# KiCad board RASBB.kicad_pcb
title: RASBB; date: 2025-04-24; rev: B; company: Mina Daneshpajouh
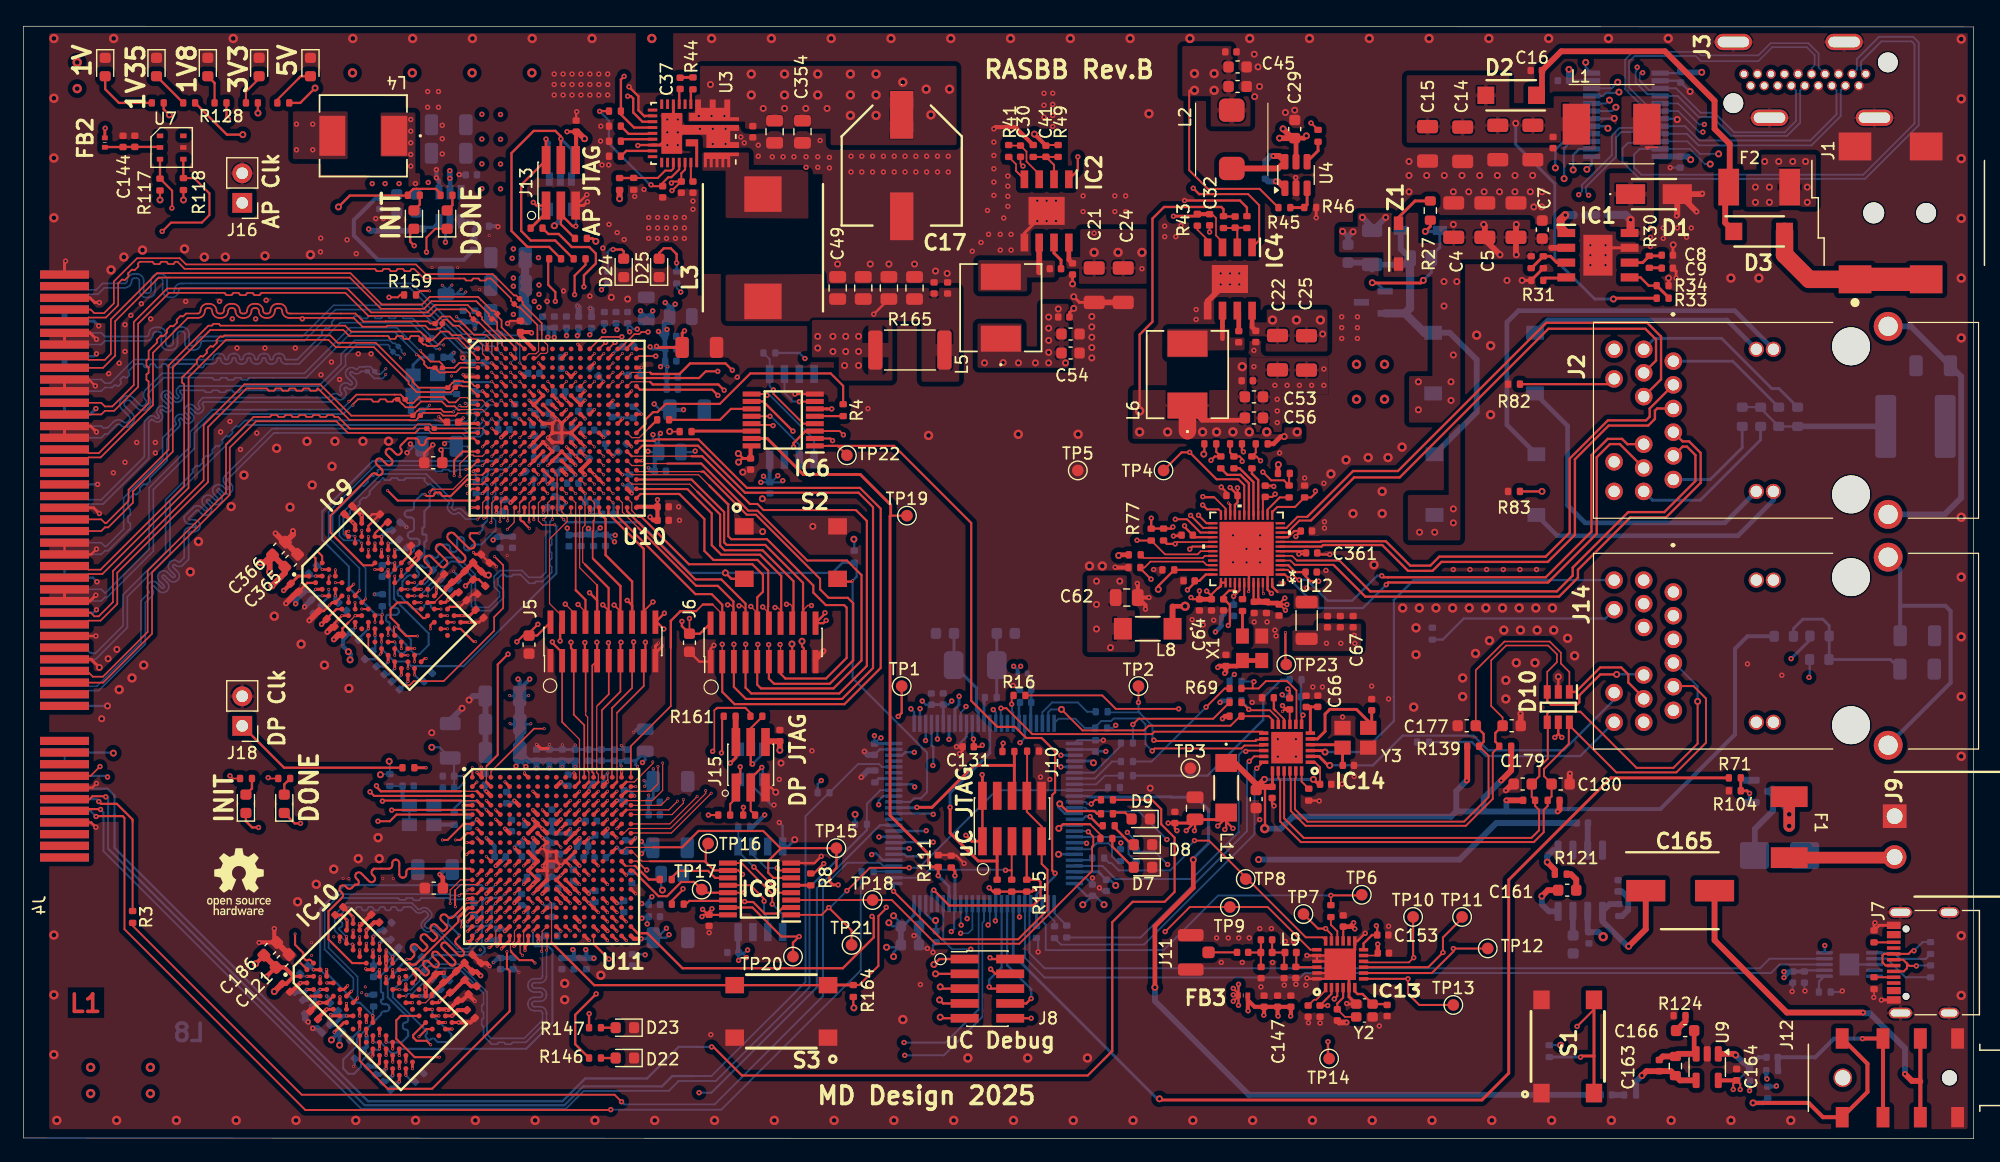
[diagram p0: board, top side]
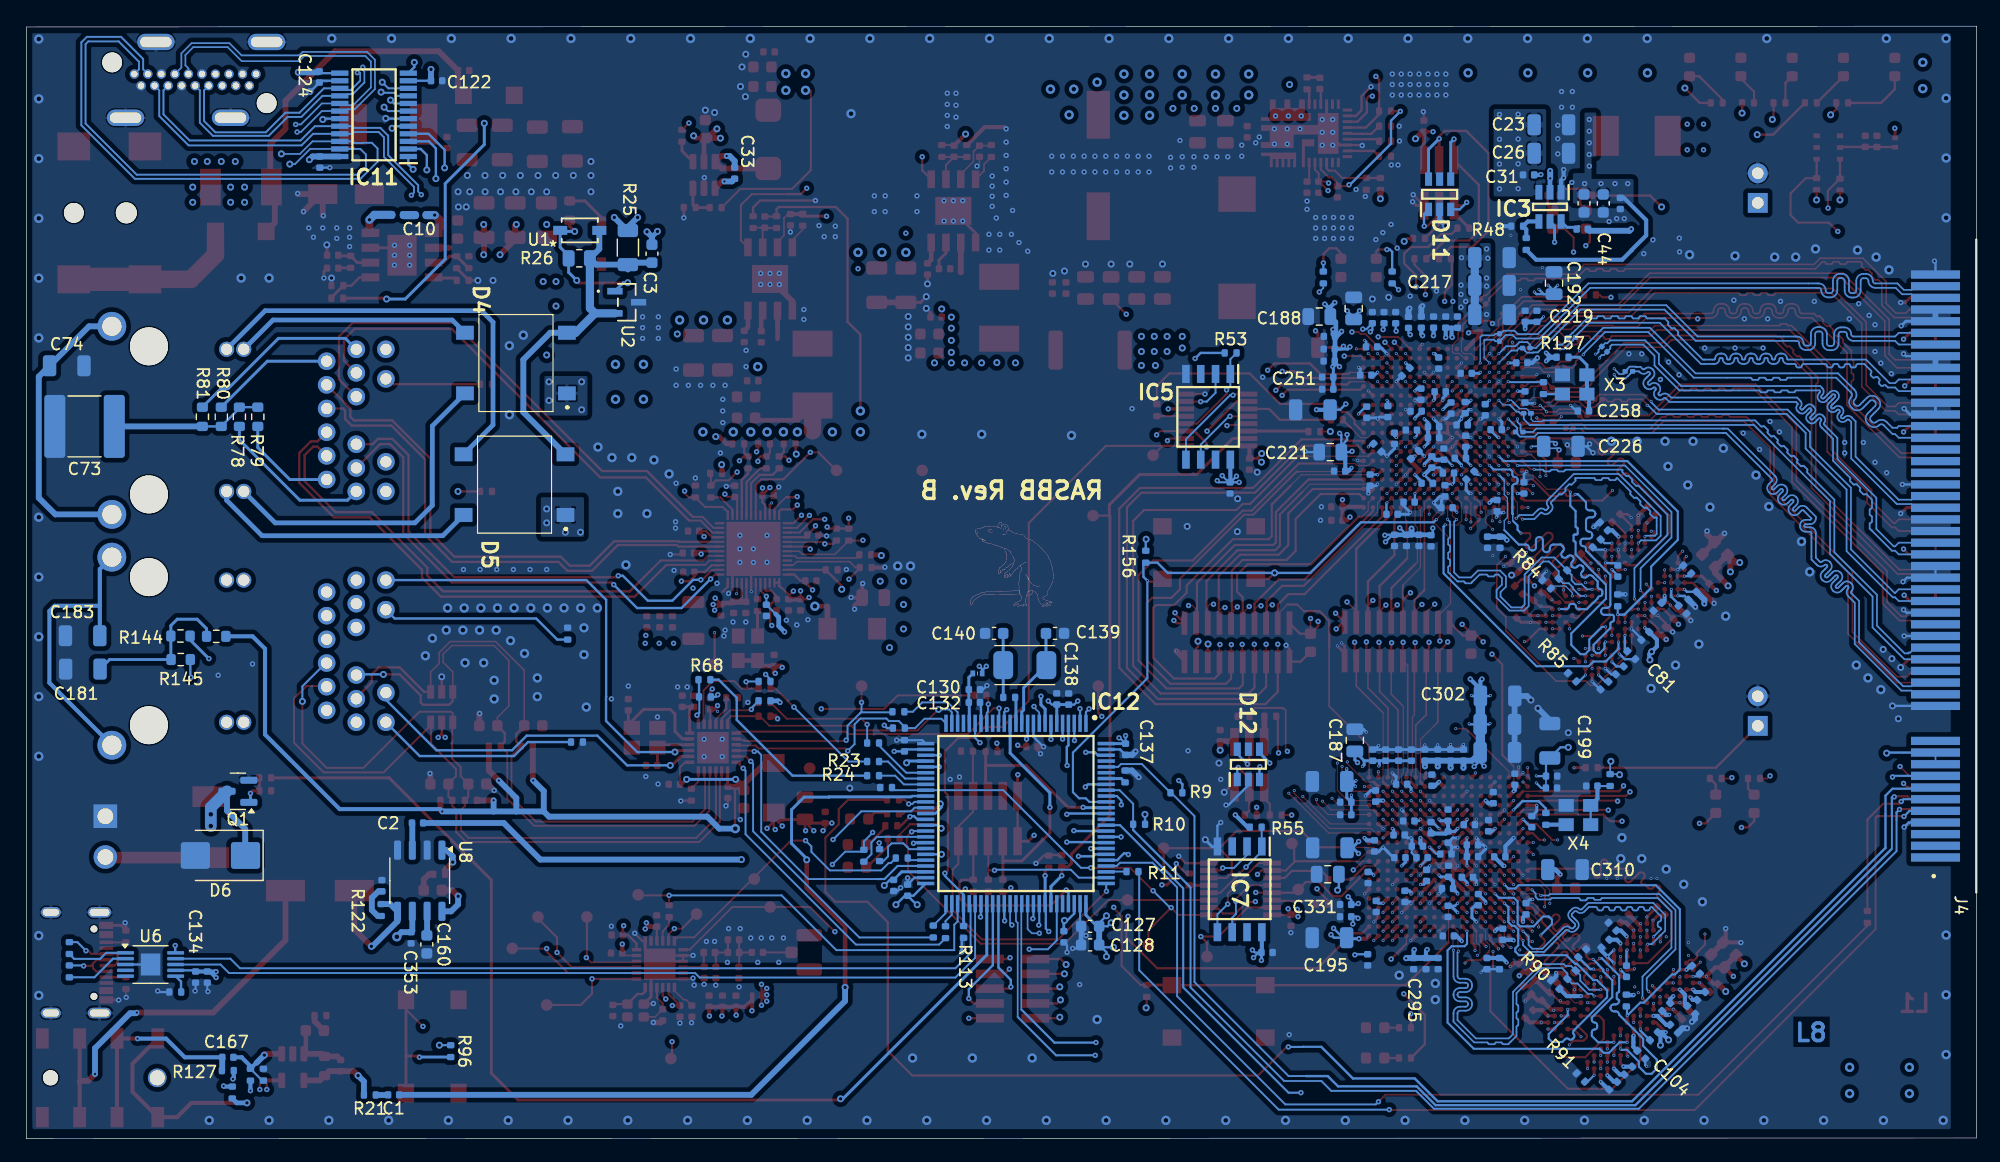
[diagram p1: board, bottom side, seen from below]

Outline 167.23 x 95.42 mm; copper layers: Top, In1.Cu, In2.Cu, In3.Cu, In4.Cu, In5.Cu, In6.Cu, Bottom. Coordinates in mm from the lower left corner of the outline.
Outline path: 0,95.42 0,0.06 167.23,0 167.23,95.36 0,95.42
Stack: Top 0.035mm / dielectric 0.1164mm FR4 er 4.5 / In1.Cu 0.0152mm / dielectric 0.3mm FR4 er 4.5 / In2.Cu 0.0152mm / dielectric 0.152mm FR4 er 4.5 / In3.Cu 0.0152mm / dielectric 0.3mm FR4 er 4.5 / In4.Cu 0.0152mm / dielectric 0.152mm FR4 er 4.5 / In5.Cu 0.0152mm / dielectric 0.3mm FR4 er 4.5 / In6.Cu 0.0152mm / dielectric 0.1164mm FR4 er 4.5 / Bottom 0.035mm

## Placement (name value [footprint] x y rotation side)
C1  1uF  [C_0402_1005Metric]  135.74 3.76 0 bottom
C2  1uF  [C_0402_1005Metric]  133.69 27.08 0 bottom
C3  10nF  [C_0603_1608Metric]  113.59 75.91 270 bottom
C4  10uF/100V  [C_1206_3216Metric]  122.65 78.79 90 top
C5  4.7uF  [C_1206_3216Metric]  125.32 78.79 90 top
C6  4.7uF  [C_1206_3216Metric]  127.99 78.79 90 top
C7  10nF  [C_0603_1608Metric]  130.24 77.98 90 top
C8  22pF  [C_0402_1005Metric]  140.97 75.78 0 top
C9  4.7nF  [C_0402_1005Metric]  140.97 74.67 0 top
C10  100nF  [C_0402_1005Metric]  133.42 79.22 0 bottom
C11  10nF  [C_0402_1005Metric]  131.17 85.44 270 top
C12  10uF  [C_1206_3216Metric]  129.44 85.44 270 top
C13  10uF  [C_1206_3216Metric]  126.43 85.44 270 top
C14  10uF  [C_1206_3216Metric]  123.42 85.29 270 top
C15  10uF  [C_1206_3216Metric]  120.41 85.33 270 top
C16  100nF  [C_0402_1005Metric]  129.74 91.62 180 top
C17  33uF  [EEE0JA152UAP]  75.32 83.47 270 top
C18  100nF  [C_0402_1005Metric]  62.55 86.37 270 top
C19  1uF  [C_0402_1005Metric]  54.82 81.22 270 top
C20  4.7uF  [C_0402_1005Metric]  57.42 81.62 270 top
C21  10uF  [C_1206_3216Metric]  91.82 73.21 270 top
C22  10uF  [C_1206_3216Metric]  107.54 67.42 270 top
C23  10uF  [C_1206_3216Metric]  36.47 86.97 180 bottom
C24  10uF  [C_1206_3216Metric]  94.31 73.21 270 top
C25  10uF  [C_1206_3216Metric]  110.03 67.4 270 top
C26  10uF  [C_1206_3216Metric]  36.47 84.52 180 bottom
C27  100nF  [C_0402_1005Metric]  89.97 74.6 270 top
C28  100nF  [C_0402_1005Metric]  105.68 68.81 270 top
C29  4.7uF  [C_0603_1608Metric]  109.02 86.59 90 top
C30  470nF  [C_0402_1005Metric]  85.5 84.7 270 top
C31  100nF  [C_0402_1005Metric]  38.42 82.67 180 bottom
C32  470nF  [C_0402_1005Metric]  101.72 78.82 270 top
C33  100nF  [C_0402_1005Metric]  106.5 82.82 90 bottom
C34  100nF  [C_0402_1005Metric]  33.82 78.02 0 bottom
C35  100nF  [C_0402_1005Metric]  88.5 74.62 0 top
C36  100nF  [C_0402_1005Metric]  104.22 68.79 90 top
C37  100nF  [C_0402_1005Metric]  56.32 90.52 90 top
C38  10nF  [C_0402_1005Metric]  79.25 72.97 90 top
C39  10nF  [C_0402_1005Metric]  30.56 80.22 270 bottom
C40  10nF  [C_0402_1005Metric]  103.55 93.22 0 top
C41  10pF  [C_0402_1005Metric]  87.69 84.7 270 top
C42  47uF  [C_0805_2012Metric]  76.42 72.97 90 top
C43  5.1pF  [C_0402_1005Metric]  103.91 78.62 270 top
C44  22uF  [C_0603_1608Metric]  32.02 80.22 90 bottom
C45  22uF  [C_0603_1608Metric]  104.12 91.93 180 top
C46  47uF  [C_0805_2012Metric]  74.22 72.97 90 top
C47  22uF  [C_0603_1608Metric]  33.67 80.22 90 bottom
C48  22uF  [C_0603_1608Metric]  104.12 90.25 180 top
C49  47uF  [C_0805_2012Metric]  69.82 72.97 90 top
C50  10nF  [C_0402_1005Metric]  89.22 70.48 0 top
C51  10nF  [C_0402_1005Metric]  104.95 65.01 0 top
C52  47uF  [C_0805_2012Metric]  72.02 72.97 90 top
C53  22uF  [C_0603_1608Metric]  105.52 63.63 180 top
C54  22uF  [C_0603_1608Metric]  89.79 67.39 180 top
C55  100nF  [C_0402_1005Metric]  78.09 72.97 270 top
C56  22uF  [C_0603_1608Metric]  105.52 61.82 180 top
C57  22uF  [C_0603_1608Metric]  89.79 69.02 180 top
C58  100nF  [C_0402_1005Metric]  62.36 57.87 270 top
C59  100nF  [C_0402_1005Metric]  64.02 55.82 270 bottom
C60  100nF  [C_0402_1005Metric]  58.8 18.73 270 top
C61  100nF  [C_0402_1005Metric]  60.85 15.97 180 bottom
C62  47uF  [C_0805_2012Metric]  94.62 46.41 0 top
C63  100nF  [C_0402_1005Metric]  111.83 44.34 90 top
C64  100nF  [C_0402_1005Metric]  100.85 45.79 270 top
C65  100nF  [C_0402_1005Metric]  112.93 44.34 90 top
C66  470pF  [C_0402_1005Metric]  111 37.52 90 top
C67  100nF  [C_0402_1005Metric]  114.03 44.34 90 top
C68  100nF  [C_0402_1005Metric]  106.49 55.53 90 top
C69  4.7uF  [C_0402_1005Metric]  110.02 52.12 0 top
C70  100nF  [C_0402_1005Metric]  105.54 45.57 270 top
C71  100nF  [C_0402_1005Metric]  103.12 41.02 90 top
C72  4.7uF  [C_0402_1005Metric]  107.67 45.34 270 top
C73  100nF  [C_2220_5750Metric]  162.24 61.09 0 bottom
C74  tbd  [C_1206_3216Metric]  163.77 66.29 180 bottom  (not fitted)
C75  470nF  [C_0402_1005Metric]  41.2 60.82 180 bottom
C76  100nF  [C_0402_1005Metric]  28.42 43.12 315 bottom
C77  100nF  [C_0402_1005Metric]  36.42 48.07 135 top
C78  47nF  [C_0402_1005Metric]  31.92 38.87 315 bottom
C79  47nF  [C_0402_1005Metric]  25.22 45.37 225 bottom
C80  47nF  [C_0402_1005Metric]  30.92 53.22 135 top
C81  47nF  [C_0402_1005Metric]  29.62 41.47 225 bottom
C82  47nF  [C_0402_1005Metric]  25.67 44.92 135 top
C83  47nF  [C_0402_1005Metric]  24.82 48.82 45 bottom
C84  100nF  [C_0402_1005Metric]  38.92 49.77 45 top
C85  47nF  [C_0402_1005Metric]  32.58 51.06 315 bottom
C86  47nF  [C_0402_1005Metric]  27.02 43.57 135 top
C87  47nF  [C_0402_1005Metric]  33.57 50.52 135 top
C88  47nF  [C_0402_1005Metric]  23.27 47.27 315 top
C89  470nF  [C_0402_1005Metric]  27.37 45.62 315 bottom
C90  47nF  [C_0402_1005Metric]  31.97 52.52 45 bottom
C91  47nF  [C_0402_1005Metric]  24.37 46.57 315 bottom
C92  470nF  [C_0402_1005Metric]  27.87 53.92 45 top
C93  47nF  [C_0402_1005Metric]  39.12 45.02 315 top
C94  47nF  [C_0402_1005Metric]  37.67 46.52 315 top
C95  100nF  [C_0402_1005Metric]  39.27 47.07 225 top
C96  47nF  [C_0402_1005Metric]  30.77 48.69 90 bottom
C97  47nF  [C_0402_1005Metric]  30.62 40.17 315 bottom
C98  4.7uF  [C_0603_1608Metric]  35.15 57.98 180 top
C99  100nF  [C_0402_1005Metric]  27.68 8.79 315 bottom
C100  100nF  [C_0402_1005Metric]  35.68 13.74 135 top
C101  47nF  [C_0402_1005Metric]  31.18 4.54 315 bottom
C102  47nF  [C_0402_1005Metric]  24.48 11.04 225 bottom
C103  47nF  [C_0402_1005Metric]  30.18 18.89 135 top
C104  47nF  [C_0402_1005Metric]  28.76 7.2 225 bottom
C105  47nF  [C_0402_1005Metric]  24.93 10.59 135 top
C106  47nF  [C_0402_1005Metric]  24.08 14.49 45 bottom
C107  100nF  [C_0402_1005Metric]  38.18 15.44 45 top
C108  47nF  [C_0402_1005Metric]  31.84 16.73 315 bottom
C109  47nF  [C_0402_1005Metric]  25.95 9.43 225 bottom
C110  47nF  [C_0402_1005Metric]  33.82 15.91 135 bottom
C111  47nF  [C_0402_1005Metric]  22.53 12.94 315 top
C112  470nF  [C_0402_1005Metric]  27.09 19.52 45 top
C113  47nF  [C_0402_1005Metric]  31.23 18.19 45 bottom
C114  47nF  [C_0402_1005Metric]  23.63 12.24 315 bottom
C115  4.7uF  [C_0603_1608Metric]  35.2 21.49 180 top
C116  47nF  [C_0402_1005Metric]  38.38 10.69 315 top
C117  47nF  [C_0402_1005Metric]  36.93 12.19 315 top
C118  100nF  [C_0402_1005Metric]  38.53 12.74 225 top
C119  47nF  [C_0402_1005Metric]  30.03 14.36 90 bottom
C120  47nF  [C_0402_1005Metric]  29.88 5.84 315 bottom
C121  4.7uF  [C_0603_1608Metric]  22.23 15.24 45 top
C122  100nF  [C_0402_1005Metric]  132.06 90.74 180 bottom
C123  100nF  [C_0402_1005Metric]  142.07 83.77 270 bottom
C124  100nF  [C_0402_1005Metric]  142.12 91.07 270 bottom
C125  22uF  [C_0603_1608Metric]  43.36 42.38 90 top
C126  22uF  [C_0603_1608Metric]  57.12 42.54 90 top
C127  4.7uF  [C_0603_1608Metric]  76.02 18.22 0 bottom
C128  4.7uF  [C_0603_1608Metric]  76.02 16.62 0 bottom
C129  100nF  [C_0402_1005Metric]  91.67 21.32 90 bottom
C130  1uF  [C_0402_1005Metric]  85.94 38.52 180 bottom
C131  100nF  [C_0402_1005Metric]  81.02 33.62 180 top
C132  100nF  [C_0402_1005Metric]  85.94 37.42 180 bottom
C133  100nF  [C_0402_1005Metric]  91.94 33.7 90 bottom
C134  100nF  [C_0402_1005Metric]  152.72 13.86 270 bottom
C135  100nF  [C_0402_1005Metric]  77.86 37.71 90 bottom
C136  100nF  [C_0402_1005Metric]  151.72 13.86 270 bottom
C137  100nF  [C_0402_1005Metric]  72.98 33.4 270 bottom
C138  100nF  [C_0402_1005Metric]  78.88 37.72 90 bottom
C139  20p  [C_0603_1608Metric]  79.03 43.34 180 bottom
C140  20p  [C_0603_1608Metric]  84.25 43.34 0 bottom
C141  2.2uF  [C_0402_1005Metric]  92.87 21.72 270 bottom
C142  10uF  [C_0402_1005Metric]  9.56 85.55 90 top
C143  2.2uF  [C_0402_1005Metric]  78.27 17.32 270 bottom
C144  100nF  [C_0402_1005Metric]  8.55 85.54 90 top
C145  20p  [C_0402_1005Metric]  116.94 10.99 270 top
C146  10uF  [C_0402_1005Metric]  106.39 11.79 90 top
C147  10uF  [C_0402_1005Metric]  107.55 11.79 90 top
C148  100nF  [C_0402_1005Metric]  108.69 11.79 90 top
C149  20p  [C_0402_1005Metric]  112.67 10.62 270 top
C150  10nF  [C_0402_1005Metric]  111.19 10.94 270 top
C151  10nF  [C_0402_1005Metric]  110.17 10.94 270 top
C152  100nF  [C_0402_1005Metric]  116.62 15.92 0 top
C153  470nF  [C_0402_1005Metric]  116.57 17.47 0 top
C154  100nF  [C_0402_1005Metric]  113.18 18.67 90 top
C155  0.8pF  [C_0402_1005Metric]  109.11 14.26 270 top
C156  1.2pF  [C_0402_1005Metric]  108.11 14.25 270 top
C157  0.5pF  [C_0402_1005Metric]  106.6 17.06 180 top
C158  1.2pF  [C_0402_1005Metric]  106.14 14.25 270 top
C159  100pF  [C_0402_1005Metric]  104.55 15.98 0 top
C160  10uF  [C_0603_1608Metric]  132.9 16.66 270 bottom
C161  10uF  [C_0603_1608Metric]  132.38 21.31 0 top
C162  47nF  [C_0402_1005Metric]  136.75 21.69 90 bottom
C163  100pF  [C_0402_1005Metric]  140.28 6.27 270 top
C164  100nF  [C_0402_1005Metric]  146.91 5.49 90 top
C165  UUD1A221MCL1GS  [CAPAE660X800N]  142.07 21.27 0 top
C166  10uF  [C_0603_1608Metric]  142.5 9.27 180 top
C167  1uF  [C_0402_1005Metric]  149.96 6.98 0 bottom
C168  10p  [C_0402_1005Metric]  113.62 32.02 0 top
C169  100nF  [C_0402_1005Metric]  111.67 30.4 0 top
C170  47uF  [C_0805_2012Metric]  100.47 28.34 90 top
C171  1uF  [C_0402_1005Metric]  110 37.51 90 top
C172  100nF  [C_0402_1005Metric]  98.74 27.55 90 top
C173  100nF  [C_0402_1005Metric]  108.59 37.3 90 top
C174  100nF  [C_0402_1005Metric]  107.08 29.7 270 top
C175  4.7uF  [C_0603_1608Metric]  105.71 29.13 270 top
C176  10p  [C_0402_1005Metric]  115.62 37.22 90 top
C177  10p/50V  [C_0603_1608Metric]  123.77 35.42 180 top
C178  10p/50V  [C_0603_1608Metric]  127.62 35.42 0 top
C179  10p/50V  [C_0603_1608Metric]  128.57 30.42 180 top
C180  10p/50V  [C_0603_1608Metric]  131.82 30.42 0 top
C181  1nF  [C_1206_3216Metric]  162.39 40.28 0 bottom
C182  470nF  [C_0402_1005Metric]  38.73 63.62 270 bottom
C183  tbd  [C_1206_3216Metric]  162.41 43.14 0 bottom  (not fitted)
C184  47uF  [C_0805_2012Metric]  53.42 71.22 90 bottom
C185  470nF  [C_0402_1005Metric]  44.12 61.22 0 bottom
C186  4.7uF  [C_0603_1608Metric]  21.18 16.29 45 top
C187  47uF  [C_0805_2012Metric]  53.32 34.17 90 bottom
C188  47uF  [C_0805_2012Metric]  56.37 70.52 180 bottom
C189  470nF  [C_0402_1005Metric]  44.27 58.37 0 bottom
C190  470nF  [C_0402_1005Metric]  46.72 58.04 270 bottom
C191  470nF  [C_0402_1005Metric]  46.13 66.53 270 bottom
C192  47uF  [C_0805_2012Metric]  36.24 73.39 270 bottom
C193  470nF  [C_0402_1005Metric]  43.82 59.82 90 bottom
C194  470nF  [C_0402_1005Metric]  46.57 60.12 180 bottom
C195  100uF  [C_1206_3216Metric]  55.5 17.24 0 bottom
C196  470nF  [C_0402_1005Metric]  42.14 62.52 270 bottom
C197  470nF  [C_0402_1005Metric]  45.07 62.67 270 bottom
C198  100uF  [C_1206_3216Metric]  56.92 62.52 0 bottom
C199  100uF  [C_1206_3216Metric]  36.6 34.13 90 bottom
C200  470nF  [C_0402_1005Metric]  43.77 65.65 0 bottom
C201  470nF  [C_0402_1005Metric]  46 64.07 180 bottom
C202  100nF  [C_0402_1005Metric]  64.87 34.57 270 top
C203  470nF  [C_0402_1005Metric]  39 66.55 180 bottom
C204  100nF  [C_0402_1005Metric]  47.4 86.85 270 top
C205  470nF  [C_0402_1005Metric]  45.69 58.72 90 bottom
C206  4.7uF  [C_0402_1005Metric]  49.82 70.42 90 bottom
C207  470nF  [C_0402_1005Metric]  46.57 61.07 180 bottom
C208  4.7uF  [C_0402_1005Metric]  50.82 70.42 90 bottom
C209  470nF  [C_0402_1005Metric]  43.86 62.71 270 bottom
C210  4.7uF  [C_0402_1005Metric]  51.82 70.42 90 bottom
C211  4.7uF  [C_0402_1005Metric]  47.83 51.32 270 bottom
C212  4.7uF  [C_0402_1005Metric]  46.79 51.29 270 bottom
C213  4.7uF  [C_0402_1005Metric]  48.9 51.32 270 bottom
C214  4.7uF  [C_0402_1005Metric]  49.92 51.32 270 bottom
C215  4.7uF  [C_0402_1005Metric]  44.52 70.04 90 bottom
C216  4.7uF  [C_0402_1005Metric]  45.53 70.04 90 bottom
C217  4.7uF  [C_0402_1005Metric]  46.57 70.04 90 bottom
C218  100uF  [C_1206_3216Metric]  41.56 75.57 180 bottom
C219  100uF  [C_1206_3216Metric]  41.56 70.69 180 bottom
C220  100uF  [C_1206_3216Metric]  41.56 73.19 180 bottom
C221  47uF  [C_0805_2012Metric]  55.43 58.89 0 bottom
C222  470nF  [C_0402_1005Metric]  45.59 55.57 270 bottom
C223  4.7uF  [C_0402_1005Metric]  48.72 70.02 90 bottom
C224  470nF  [C_0402_1005Metric]  47.62 70.04 90 bottom
C225  470nF  [C_0402_1005Metric]  42.62 69.67 90 top
C226  100uF  [C_1206_3216Metric]  35.65 59.39 180 bottom
C227  4.7uF  [C_0402_1005Metric]  40.88 51.16 270 bottom
C228  4.7uF  [C_0402_1005Metric]  41.94 51.16 270 bottom
C229  470nF  [C_0402_1005Metric]  41.13 54.3 270 bottom
C230  470nF  [C_0402_1005Metric]  45.42 54.12 0 bottom
C231  470nF  [C_0402_1005Metric]  38.82 55.82 90 bottom
C232  470nF  [C_0402_1005Metric]  43.42 56.89 315 bottom
C233  470nF  [C_0402_1005Metric]  52.01 56.49 270 bottom
C234  470nF  [C_0402_1005Metric]  52.3 62.31 270 bottom
C235  470nF  [C_0402_1005Metric]  51.88 67.92 180 bottom
C236  470nF  [C_0402_1005Metric]  50.13 53.56 180 bottom
C238  470nF  [C_0402_1005Metric]  26.63 11.29 315 bottom
C239  470nF  [C_0402_1005Metric]  47.12 56.22 180 bottom
C241  470nF  [C_0402_1005Metric]  55.52 66.7 0 bottom
C242  470nF  [C_0402_1005Metric]  52.38 65.5 0 bottom
C243  470nF  [C_0402_1005Metric]  50.49 62.37 270 bottom
C244  470nF  [C_0402_1005Metric]  54.86 54.2 0 top
C245  470nF  [C_0402_1005Metric]  45.29 57.09 0 bottom
C246  4.7uF  [C_0402_1005Metric]  55.5 68.82 0 bottom
C247  4.7uF  [C_0402_1005Metric]  55.52 67.73 0 bottom
C248  100uF  [C_1206_3216Metric]  57.97 67.87 0 top
C249  4.7uF  [C_0402_1005Metric]  55.65 64.29 0 bottom
C250  4.7uF  [C_0402_1005Metric]  54.86 53.04 0 top
C251  470nF  [C_0402_1005Metric]  55.65 65.32 0 bottom
C252  470nF  [C_0402_1005Metric]  54.62 57.26 0 bottom
C253  470nF  [C_0402_1005Metric]  48.95 65.77 315 bottom
C254  470nF  [C_0402_1005Metric]  49.92 60.07 270 bottom
C255  470nF  [C_0402_1005Metric]  48.67 54.6 0 bottom
C257  470nF  [C_0402_1005Metric]  51.38 59.27 225 bottom
C258  100nF  [C_0402_1005Metric]  33.72 62.42 0 bottom
C261  470nF  [C_0402_1005Metric]  47.65 63.86 270 bottom
C262  470nF  [C_0402_1005Metric]  48.07 62.4 0 bottom
C263  470nF  [C_0402_1005Metric]  48.18 58.66 135 bottom
C264  470nF  [C_0402_1005Metric]  48.47 60.78 0 bottom
C265  470nF  [C_0402_1005Metric]  36.81 61.46 180 top
C266  4.7uF  [C_0402_1005Metric]  38.72 70.54 90 bottom
C267  4.7uF  [C_0402_1005Metric]  37.71 70.54 90 bottom
C269  470nF  [C_0402_1005Metric]  45.29 22.94 90 bottom
C273  470nF  [C_0402_1005Metric]  43.5 26.93 180 bottom
C274  470nF  [C_0402_1005Metric]  45.33 27.75 90 bottom
C275  470nF  [C_0402_1005Metric]  48.69 27.25 0 bottom
C277  470nF  [C_0402_1005Metric]  43.67 22.43 180 bottom
C278  470nF  [C_0402_1005Metric]  46.79 26.67 90 bottom
C280  470nF  [C_0402_1005Metric]  47.96 25.09 0 bottom
C281  470nF  [C_0402_1005Metric]  43.24 25.2 180 bottom
C282  100uF  [C_1206_3216Metric]  55.46 24.95 0 bottom
C284  470nF  [C_0402_1005Metric]  47.17 22.58 90 bottom
C285  470nF  [C_0402_1005Metric]  45.33 25.87 270 bottom
C287  470nF  [C_0402_1005Metric]  47.56 24.11 0 bottom
C289  470nF  [C_0402_1005Metric]  43.23 24.2 180 bottom
C290  4.7uF  [C_0402_1005Metric]  51.78 32.9 90 bottom
C291  470nF  [C_0402_1005Metric]  45.51 24.42 180 bottom
C292  4.7uF  [C_0402_1005Metric]  49.57 32.9 90 bottom
C293  470nF  [C_0402_1005Metric]  45.38 21.46 0 bottom
C294  4.7uF  [C_0402_1005Metric]  50.68 32.9 90 bottom
C295  4.7uF  [C_0402_1005Metric]  48.28 15.02 270 bottom
C296  4.7uF  [C_0402_1005Metric]  47.22 15.02 270 bottom
C297  4.7uF  [C_0402_1005Metric]  44 32.9 90 bottom
C298  4.7uF  [C_0402_1005Metric]  47.32 32.9 90 bottom
C299  4.7uF  [C_0402_1005Metric]  45.11 32.9 90 bottom
C300  4.7uF  [C_0402_1005Metric]  46.18 15.02 270 bottom
C301  4.7uF  [C_0402_1005Metric]  46.21 32.9 90 bottom
C302  100uF  [C_1206_3216Metric]  41.08 37.97 180 bottom
C303  100uF  [C_1206_3216Metric]  41.1 35.54 180 bottom
C304  100uF  [C_1206_3216Metric]  41.1 33.13 180 bottom
C305  47uF  [C_0805_2012Metric]  55.64 22.68 0 bottom
C306  470nF  [C_0402_1005Metric]  45.33 19.5 270 bottom
C307  4.7uF  [C_0402_1005Metric]  48.46 32.9 90 bottom
C308  470nF  [C_0402_1005Metric]  46.72 30.75 90 bottom
C310  100uF  [C_1206_3216Metric]  35.3 23.08 180 bottom
C311  4.7uF  [C_0402_1005Metric]  40.92 15.02 270 bottom
C312  4.7uF  [C_0402_1005Metric]  41.99 15.02 270 bottom
C313  470nF  [C_0402_1005Metric]  38.64 19.72 90 bottom
C314  470nF  [C_0402_1005Metric]  40.64 17.53 270 bottom
C315  470nF  [C_0402_1005Metric]  40.89 24.18 180 bottom
C316  470nF  [C_0402_1005Metric]  42.73 20.5 270 bottom
C317  47nF  [C_0402_1005Metric]  45.3 17.39 0 bottom
C326  470nF  [C_0402_1005Metric]  49.03 20.78 270 bottom
C327  470nF  [C_0402_1005Metric]  52.19 22.4 270 bottom
C328  470nF  [C_0402_1005Metric]  51.49 19.92 270 bottom
C329  470nF  [C_0402_1005Metric]  54.11 19.04 0 bottom
C330  4.7uF  [C_0402_1005Metric]  52.22 15.34 270 bottom
C331  4.7uF  [C_0402_1005Metric]  54.11 20.09 0 bottom
C332  100uF  [C_1206_3216Metric]  55.49 30.64 0 bottom
C333  4.7uF  [C_0402_1005Metric]  54.1 28.87 0 bottom
C334  4.7uF  [C_0402_1005Metric]  54.1 27.78 0 bottom
C335  470nF  [C_0402_1005Metric]  51.54 29.39 90 bottom
C336  470nF  [C_0402_1005Metric]  49.52 26.05 180 bottom
C337  470nF  [C_0402_1005Metric]  49.46 24.11 0 bottom
C338  470nF  [C_0402_1005Metric]  51.64 25.11 270 bottom
C339  47nF  [C_0402_1005Metric]  49.31 30.41 0 bottom
C342  100nF  [C_0402_1005Metric]  33 30.25 0 bottom
C346  470nF  [C_0402_1005Metric]  38.15 27.19 90 bottom
C347  470nF  [C_0402_1005Metric]  41.45 29.25 90 bottom
C348  470nF  [C_0402_1005Metric]  39.6 30.83 90 bottom
C349  470nF  [C_0402_1005Metric]  41.86 26.85 90 bottom
C350  4.7uF  [C_0402_1005Metric]  36.45 31.1 180 bottom
C351  4.7uF  [C_0402_1005Metric]  36.46 30.08 180 bottom
C352  100nF  [C_0402_1005Metric]  106.59 45.57 270 top
C353  100nF  [C_0402_1005Metric]  134.25 17.23 270 bottom
C354  2.2uF  [C_0805_2012Metric]  66.81 86.37 270 top
C355  2.2uF  [C_0805_2012Metric]  64.42 86.37 270 top
C356  100nF  [C_0402_1005Metric]  56.42 81.62 270 top
C357  100nF  [C_0402_1005Metric]  110.43 48.6 0 top
C358  100nF  [C_0402_1005Metric]  99.8 51.77 180 top
C359  100nF  [C_0402_1005Metric]  99.97 47.85 180 top
C360  100nF  [C_0402_1005Metric]  102.92 45.79 270 top
C361  100nF  [C_0402_1005Metric]  110.47 50.24 0 top
C362  100nF  [C_0402_1005Metric]  103.78 45.32 270 bottom
C363  100nF  [C_0402_1005Metric]  103.64 55.16 180 top
C364  100nF  [C_0402_1005Metric]  101.88 45.79 270 top
C365  4.7uF  [C_0603_1608Metric]  22.97 49.57 45 top
C366  4.7uF  [C_0603_1608Metric]  21.92 50.62 45 top
D1  SDT5A60SA-13  [SDT5A60SA13]  139.82 81.02 0 top
D2  VSSAF5L45HM3_A_H  [SODFL5226X100N]  127.58 89.49 180 top
D3  VSSAF5L45HM3_A_H  [SODFL5226X100N]  148.84 77.82 0 top
D4  DF1501S-T  [DF1501ST]  125.25 66.53 270 bottom
D5  DF1501S-T  [DF1501ST]  125.38 56.1 270 bottom
D6  S210_R1_00001  [D_SMB]  150.59 24.29 0 bottom
D7  A-SP192YR6C-C01-4T  [LED_0603_1608Metric]  96.01 23.28 180 top
D8  A-SP192DGHC-C01-4T  [LED_0603_1608Metric]  96.01 25.22 180 top
D9  A-SP192GS1D-C01-4T  [LED_0603_1608Metric]  95.82 27.42 180 top
D10  D5V0F4U6SO-7  [SOT95P285X140-6N]  131.62 37.02 270 top
D11  DT2042-04SO-7  [SOT95P285X140-6N]  46.05 81.01 90 bottom
D12  DT2042-04SO-7  [SOT95P285X140-6N]  62.45 32.11 90 bottom
D13  A-SP192YR6C-C01-4T  [LED_0603_1608Metric]  33.5 78.83 90 top
D14  A-SP192YR6C-C01-4T  [LED_0603_1608Metric]  22.38 28.72 90 top
D15  A-SP192YR6C-C01-4T  [LED_0603_1608Metric]  36.34 78.83 90 top
D16  A-SP192YR6C-C01-4T  [LED_0603_1608Metric]  19.08 28.72 90 top